# Altium PCB OpenRec.PcbDoc (part 1 of 4)
Units mm, origin at the board's own origin, x right, y up, seen from the top; angles counter-clockwise.
Board outline 70 x 95 mm, 10 copper layers (L1, L2, L3, L4 (PWR), L5 (PWR), L6 (PWR), L7 (PWR), L8, L9, L10), stack 1.632 mm thick; 1080 components, 708 nets, 3831 pads, 534 vias.
Unrouted connection lines stored in the file: 2907.
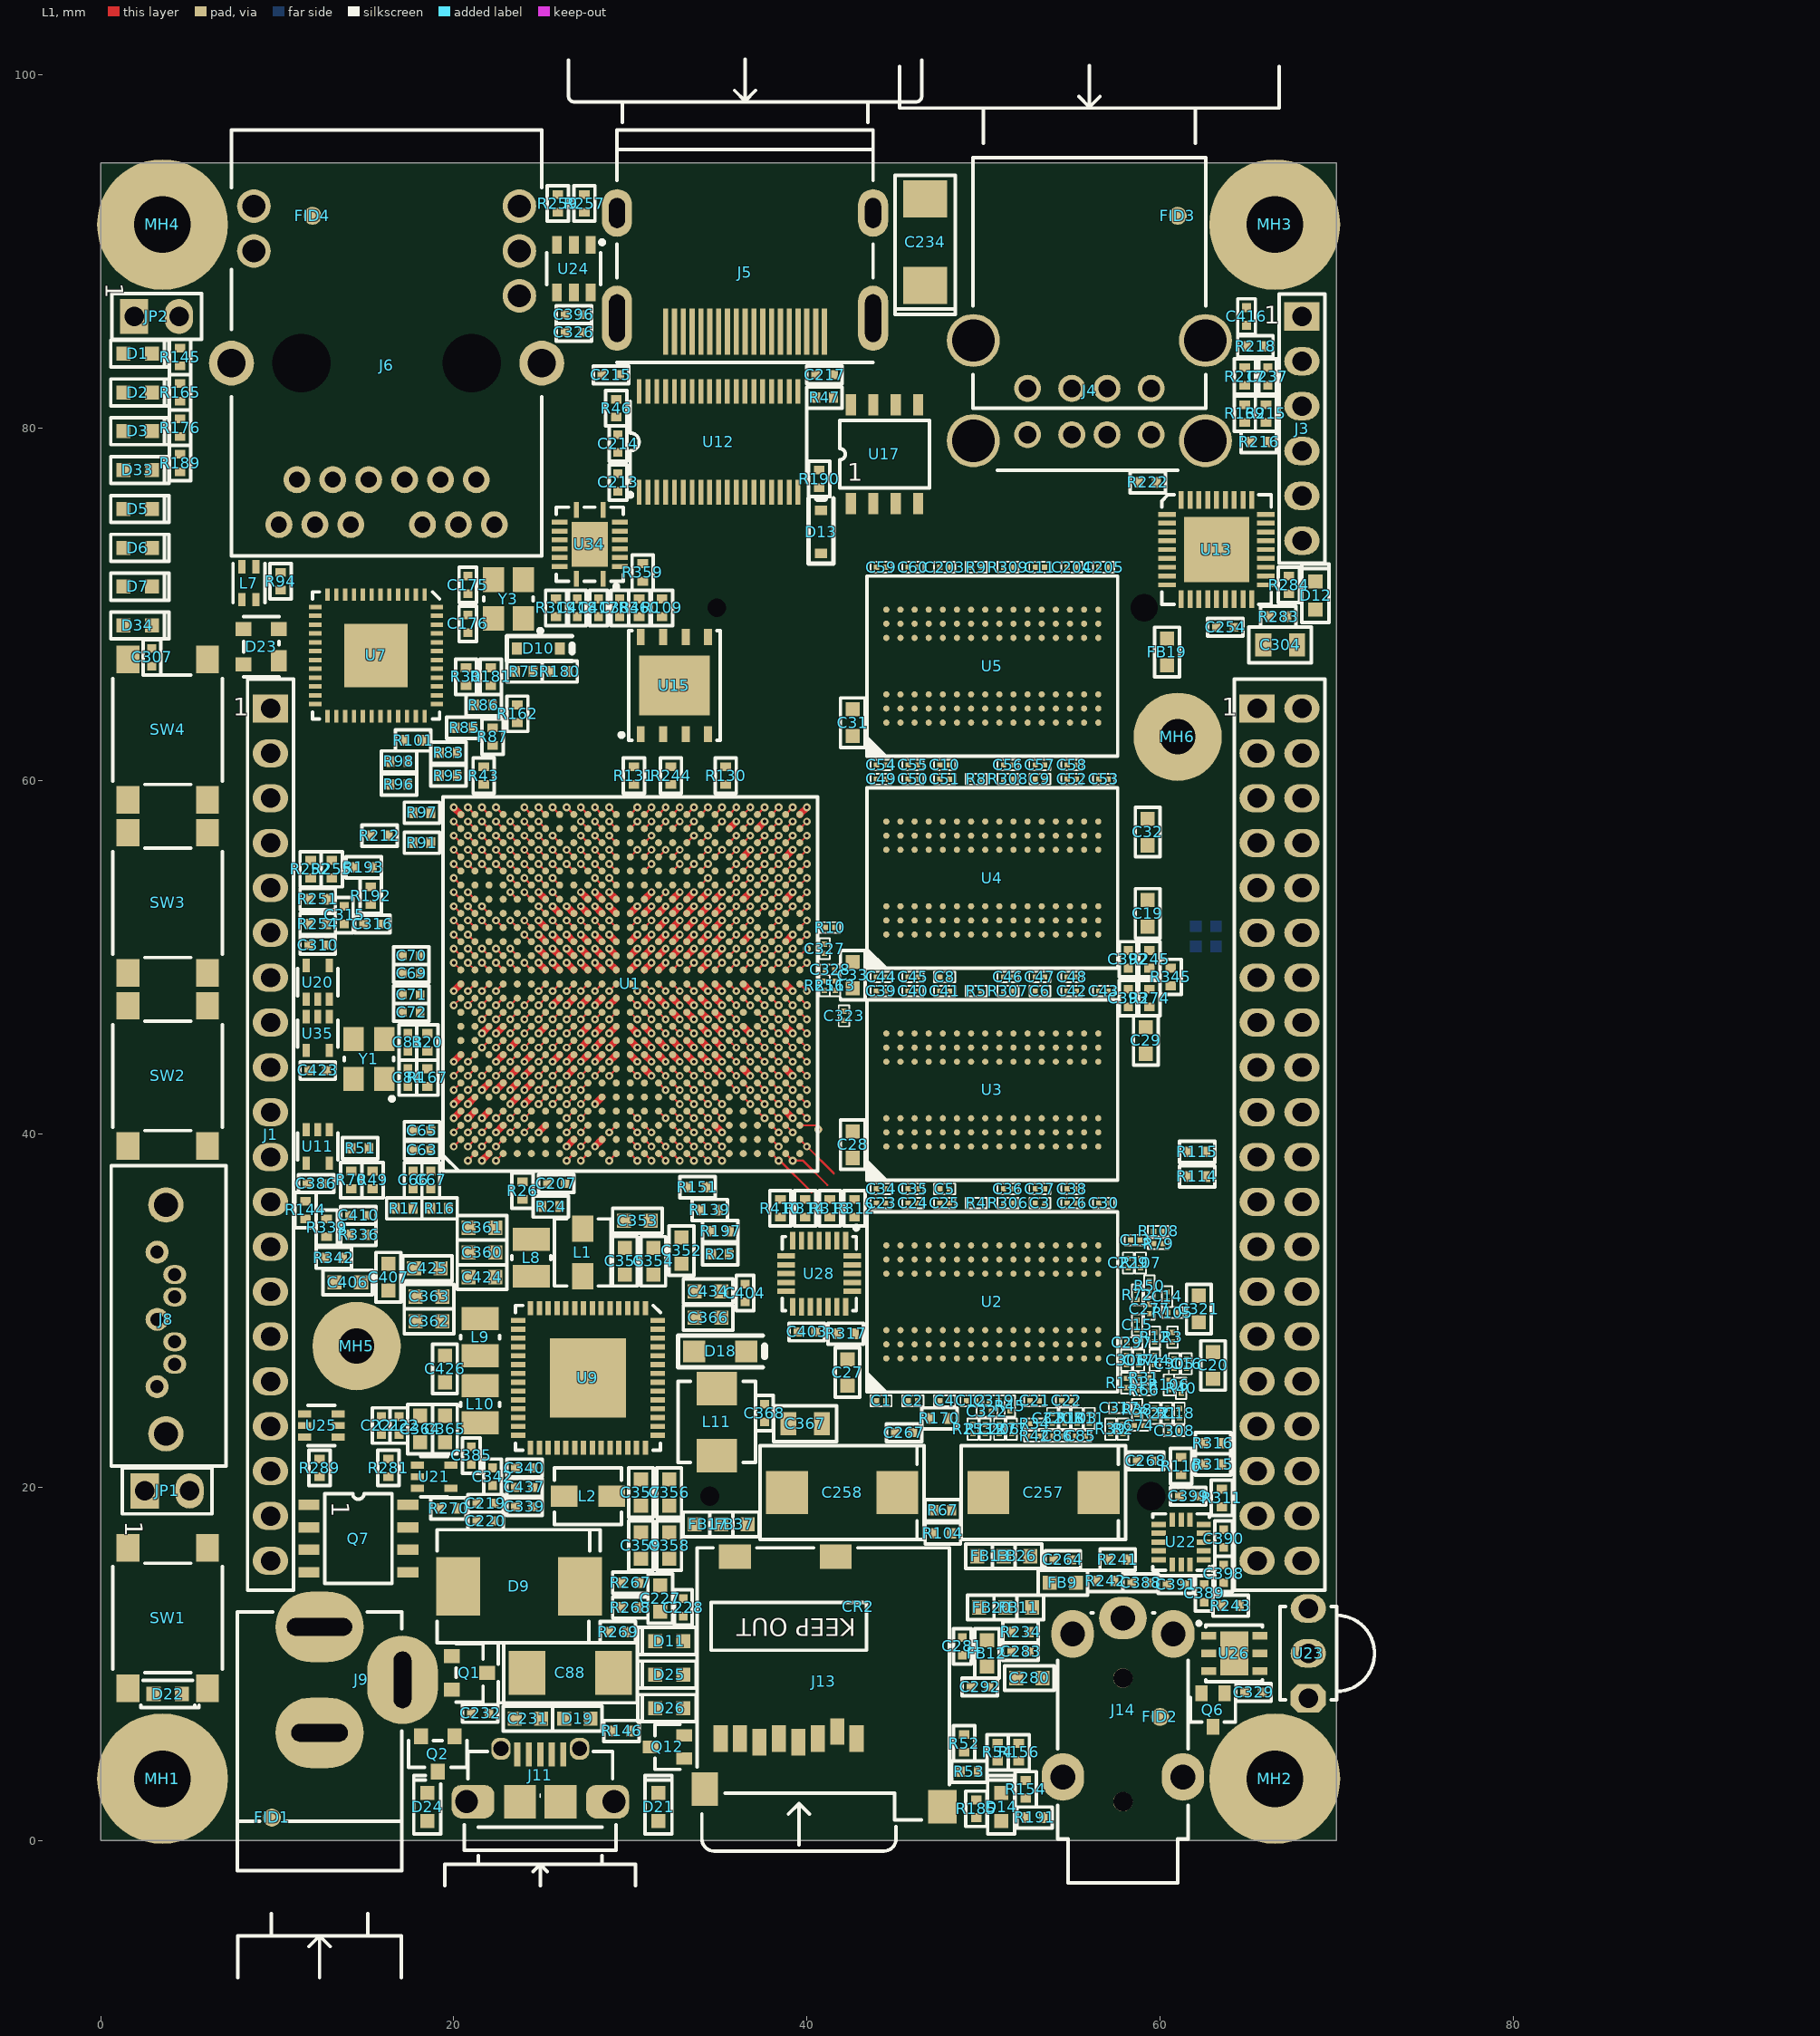
[diagram p0: L1 view]
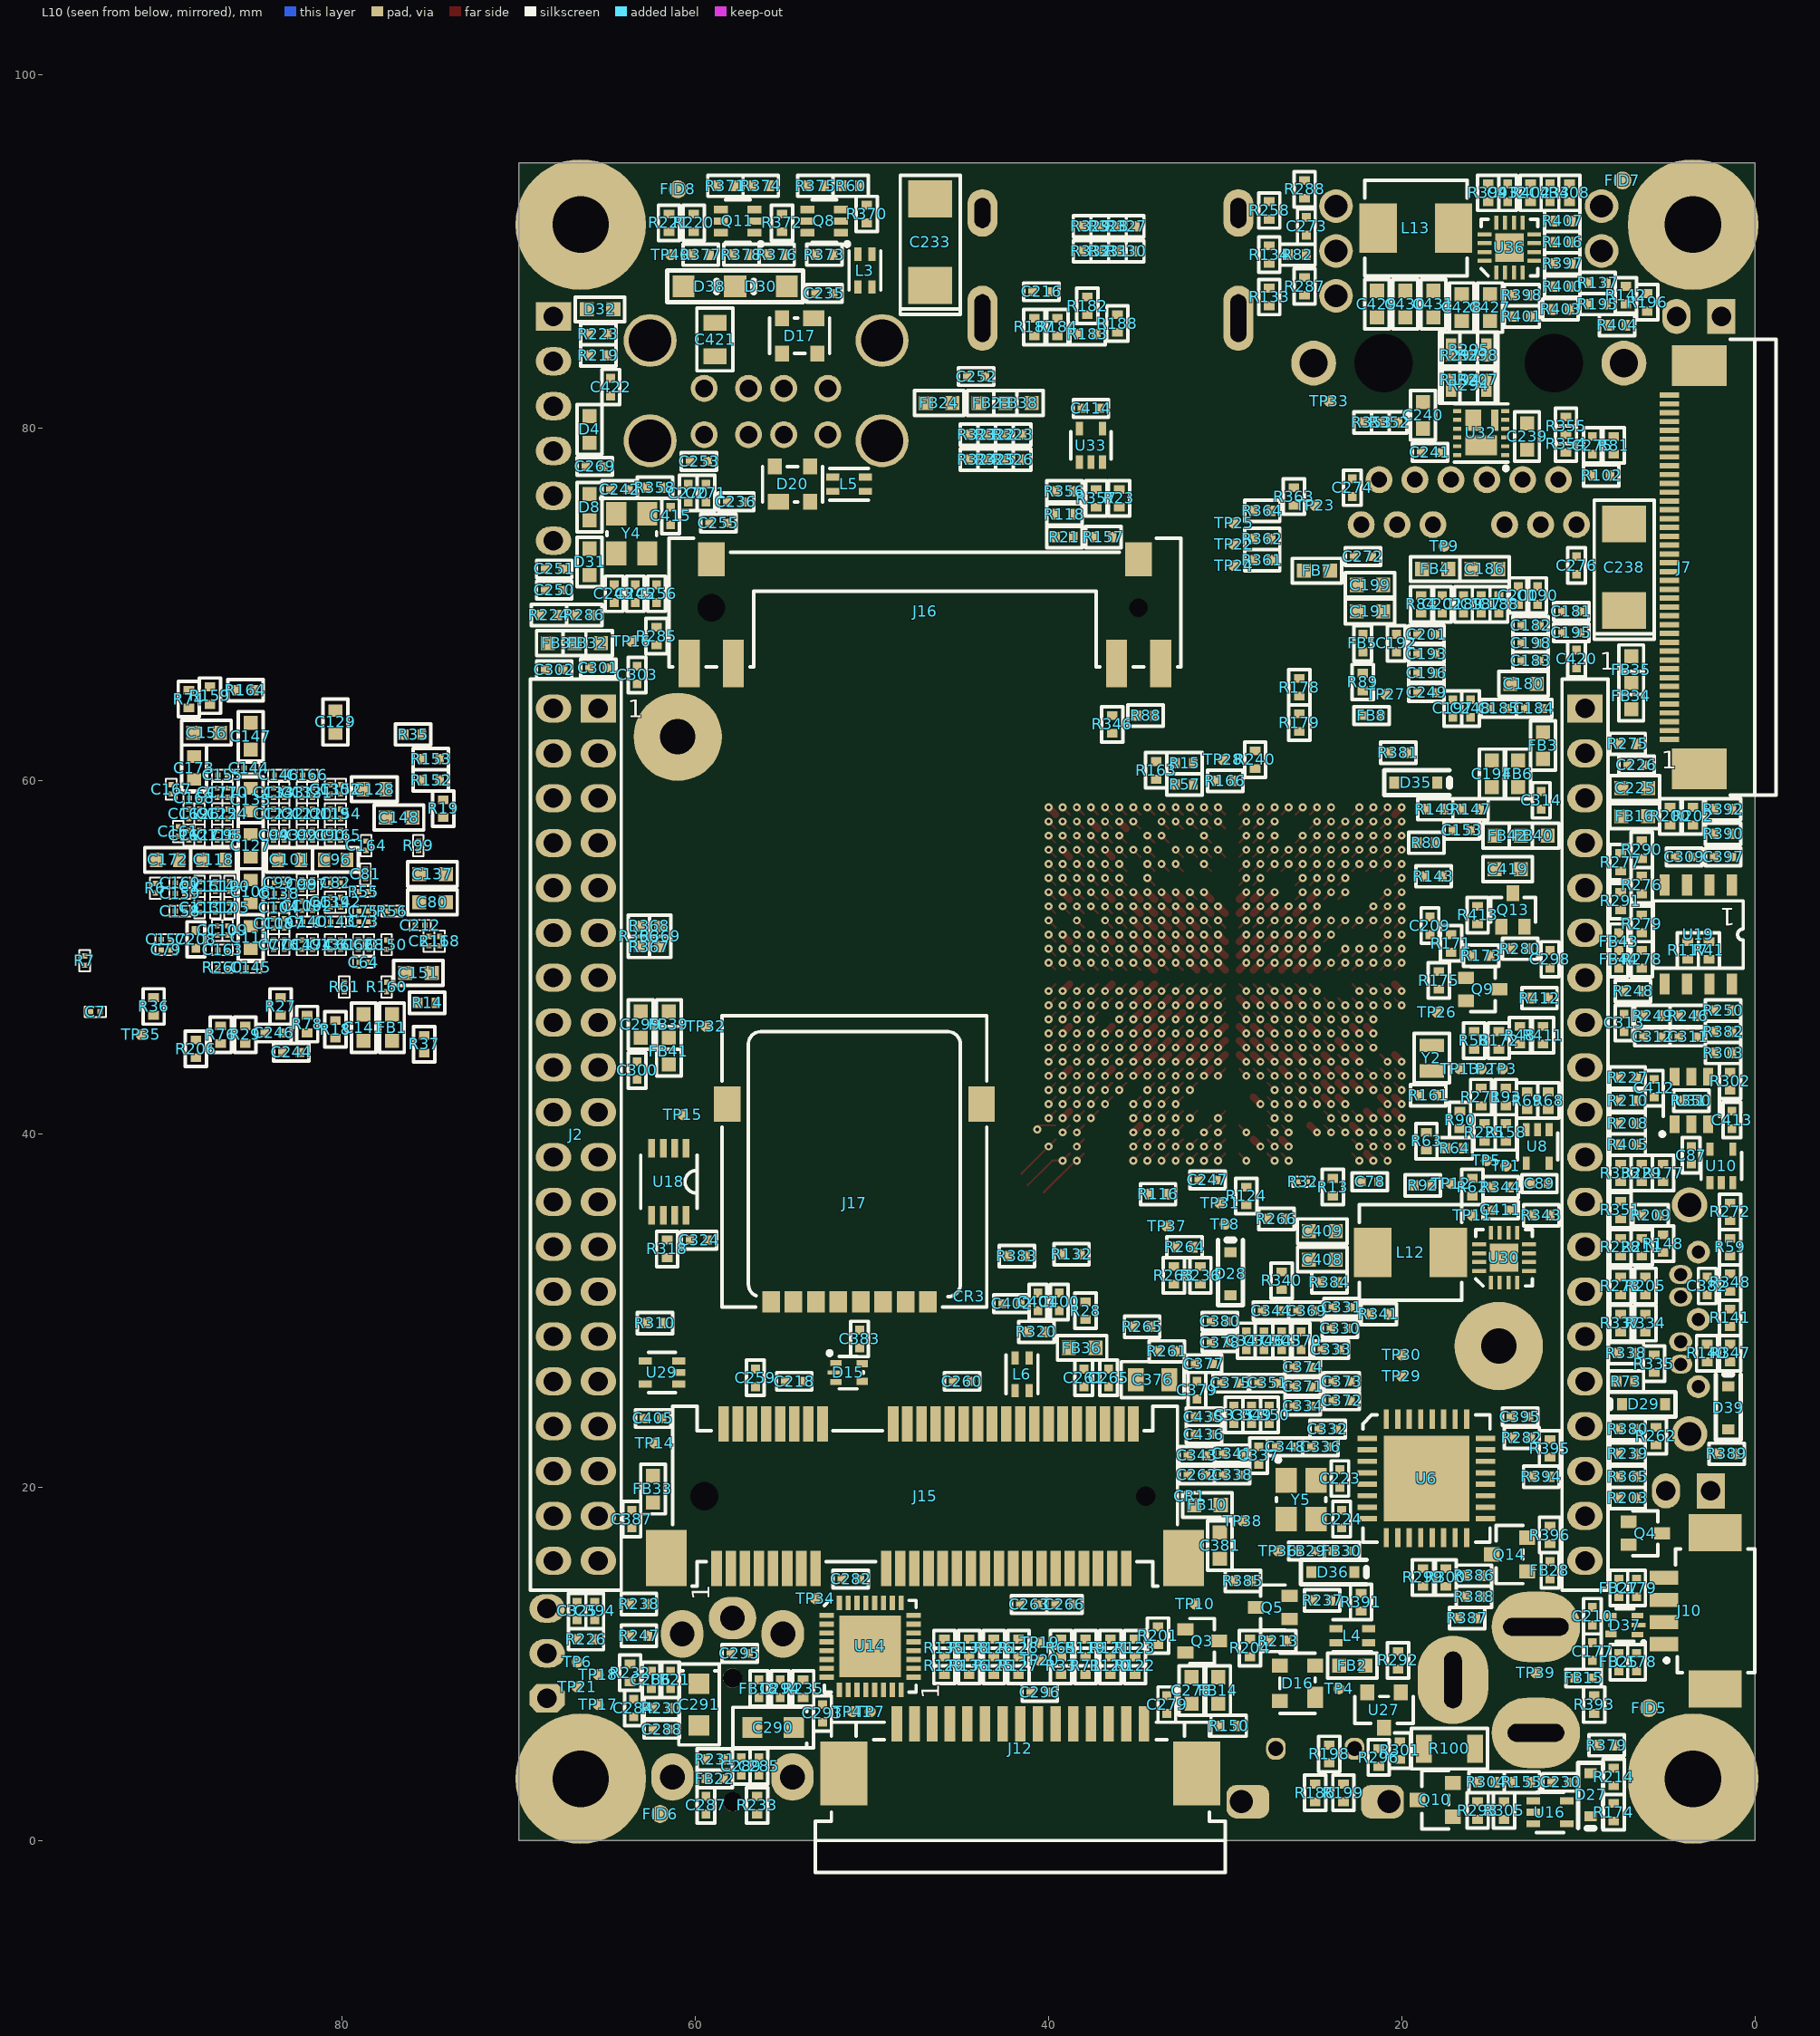
[diagram p1: L10 view, seen from below]
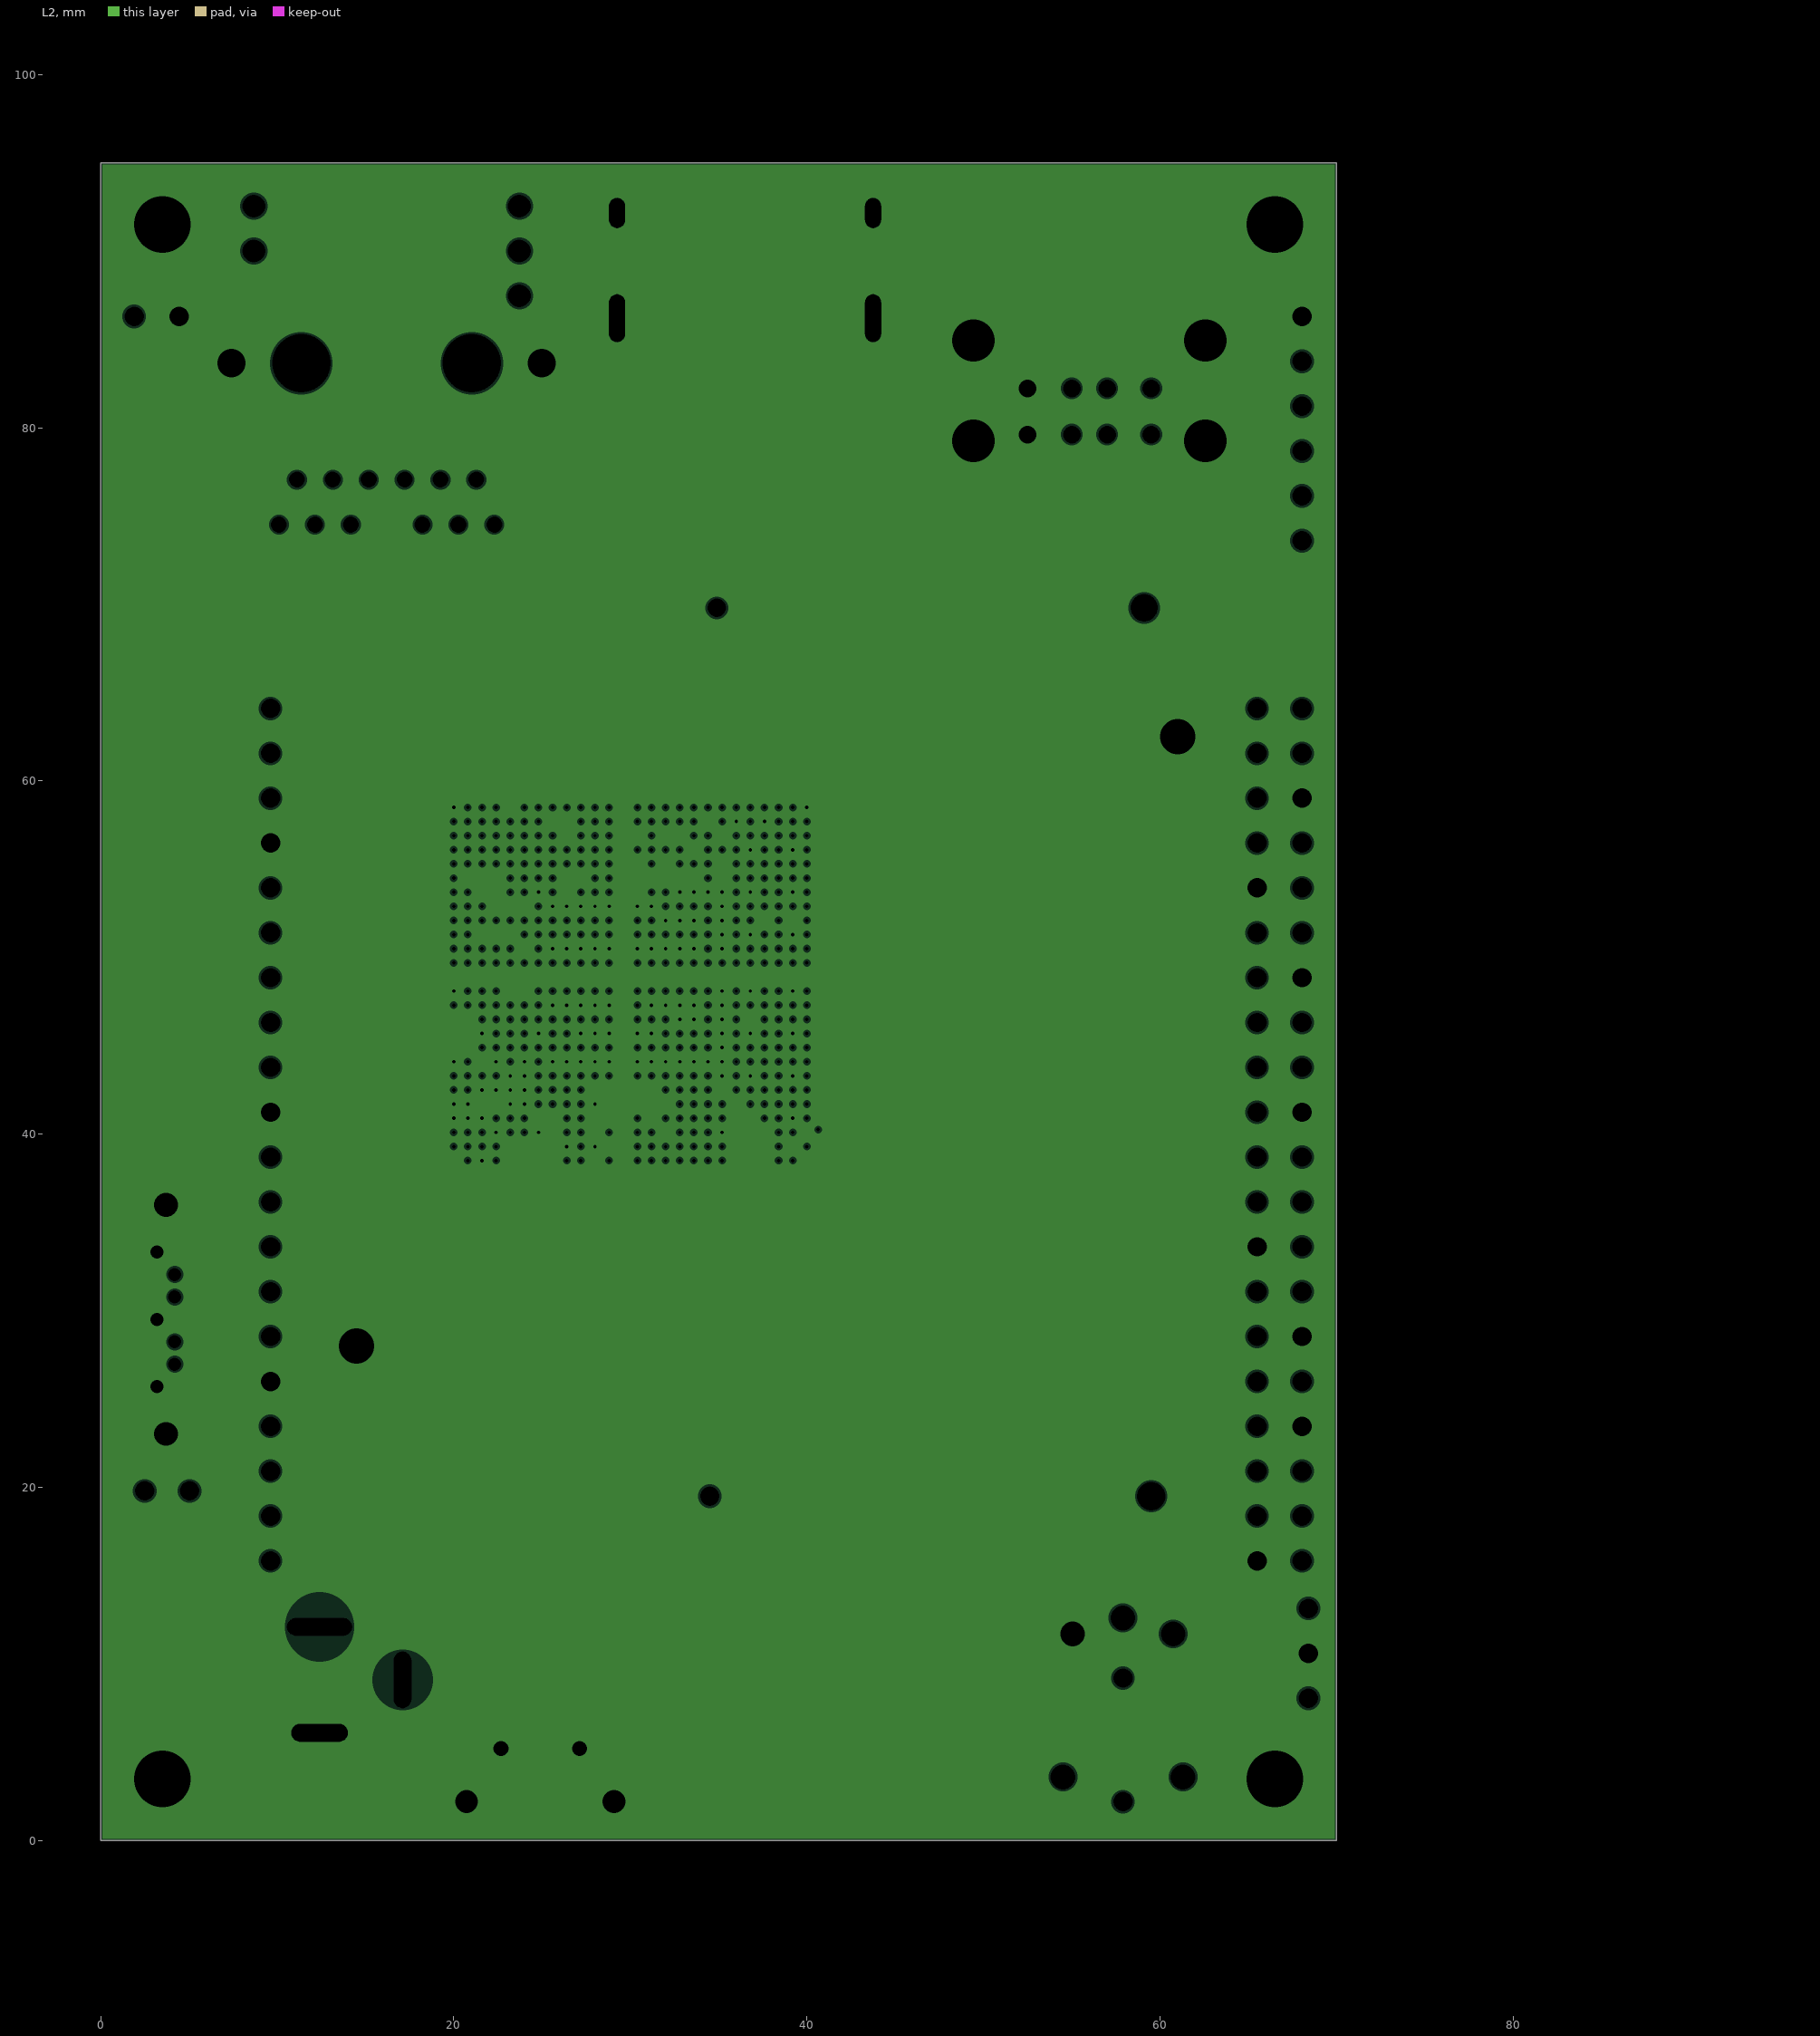
[diagram p2: L2, clearances drawn from the general rule]